# KiCad board helixloop.kicad_pcb (continued)
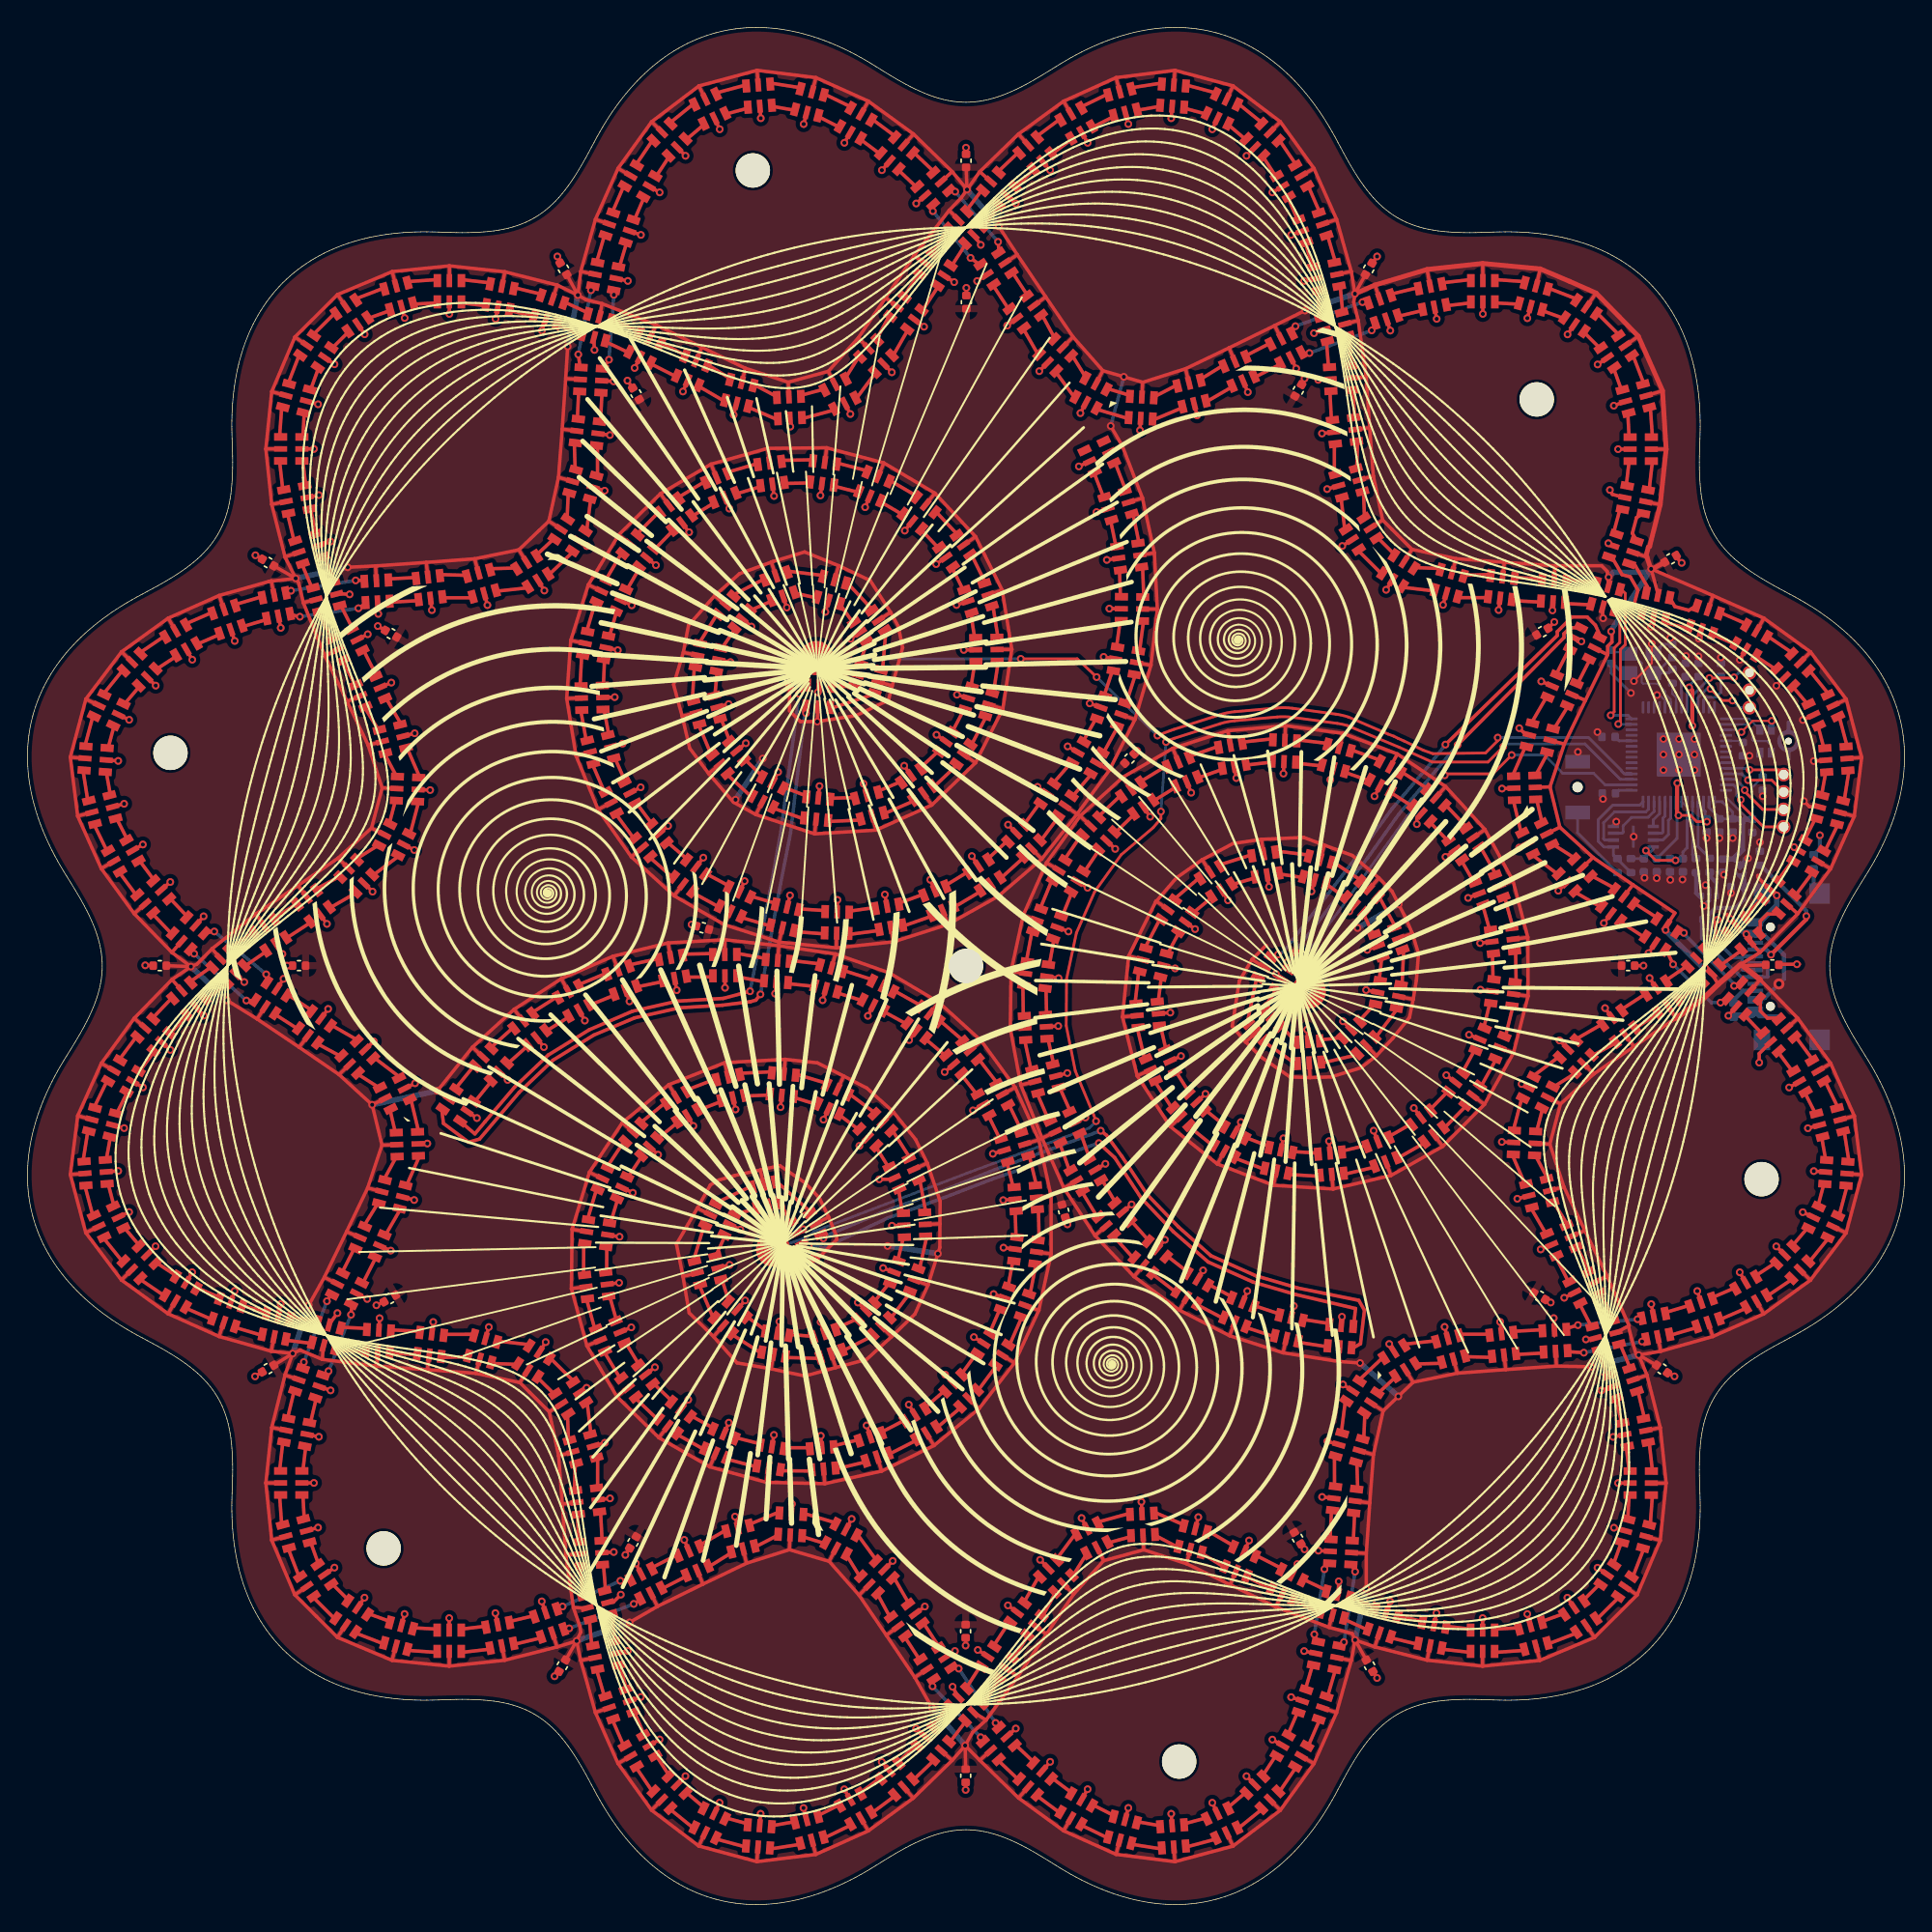
[diagram p0: board, top side]
## Placement (name value [footprint] x y rotation side) (continued)
D257  SK9822-EC20  [LED-SK9822-EC20]  95.35 83.53 74.7 top
D258  SK9822-EC20  [LED-SK9822-EC20]  91.57 84.04 87.5 top
D259  SK9822-EC20  [LED-SK9822-EC20]  87.77 83.69 100.1 top
D260  SK9822-EC20  [LED-SK9822-EC20]  84.14 82.52 112.6 top
D261  SK9822-EC20  [LED-SK9822-EC20]  80.85 80.6 124.8 top
D262  SK9822-EC20  [LED-SK9822-EC20]  78.04 78.03 136.8 top
D263  SK9822-EC20  [LED-SK9822-EC20]  75.82 74.93 148.7 top
D264  SK9822-EC20  [LED-SK9822-EC20]  74.28 71.44 160.4 top
D265  SK9822-EC20  [LED-SK9822-EC20]  73.48 67.72 171.9 top
D266  SK9822-EC20  [LED-SK9822-EC20]  73.45 63.9 183.3 top
D267  SK9822-EC20  [LED-SK9822-EC20]  74.16 60.16 194.5 top
D268  SK9822-EC20  [LED-SK9822-EC20]  75.58 56.63 205.5 top
D269  SK9822-EC20  [LED-SK9822-EC20]  77.1 53.13 210.3 top
D270  SK9822-EC20  [LED-SK9822-EC20]  79.18 49.93 220.4 top
D271  SK9822-EC20  [LED-SK9822-EC20]  81.8 47.17 230 top
D272  SK9822-EC20  [LED-SK9822-EC20]  84.86 44.89 239.3 top
D273  SK9822-EC20  [LED-SK9822-EC20]  88.25 43.16 248.3 top
D274  SK9822-EC20  [LED-SK9822-EC20]  91.88 42 257 top
D275  SK9822-EC20  [LED-SK9822-EC20]  95.65 41.41 265.5 top
D276  SK9822-EC20  [LED-SK9822-EC20]  56.72 49.25 27 top
D277  SK9822-EC20  [LED-SK9822-EC20]  53.81 51.71 103.3 top
D278  SK9822-EC20  [LED-SK9822-EC20]  50.46 49.9 153.5 top
D279  SK9822-EC20  [LED-SK9822-EC20]  49.55 46.2 194 top
D280  SK9822-EC20  [LED-SK9822-EC20]  51.2 42.77 228.9 top
D281  SK9822-EC20  [LED-SK9822-EC20]  54.49 40.85 260 top
D282  SK9822-EC20  [LED-SK9822-EC20]  58.3 40.87 288.4 top
D283  SK9822-EC20  [LED-SK9822-EC20]  61.65 42.69 314.6 top
D284  SK9822-EC20  [LED-SK9822-EC20]  63.88 45.78 339.2 top
D285  SK9822-EC20  [LED-SK9822-EC20]  64.63 49.52 2.3 top
D286  SK9822-EC20  [LED-SK9822-EC20]  63.86 53.25 24.2 top
D287  SK9822-EC20  [LED-SK9822-EC20]  61.77 56.44 45.1 top
D288  SK9822-EC20  [LED-SK9822-EC20]  58.69 58.67 65.1 top
D289  SK9822-EC20  [LED-SK9822-EC20]  55.02 59.73 84.3 top
D290  SK9822-EC20  [LED-SK9822-EC20]  51.22 59.53 102.8 top
D291  SK9822-EC20  [LED-SK9822-EC20]  47.67 58.14 120.7 top
D292  SK9822-EC20  [LED-SK9822-EC20]  44.72 55.73 138 top
D293  SK9822-EC20  [LED-SK9822-EC20]  42.61 52.55 154.8 top
D294  SK9822-EC20  [LED-SK9822-EC20]  41.5 48.9 171.1 top
D295  SK9822-EC20  [LED-SK9822-EC20]  41.46 45.09 187 top
D296  SK9822-EC20  [LED-SK9822-EC20]  42.46 41.42 202.5 top
D297  SK9822-EC20  [LED-SK9822-EC20]  44.4 38.14 217.6 top
D298  SK9822-EC20  [LED-SK9822-EC20]  47.13 35.47 232.3 top
D299  SK9822-EC20  [LED-SK9822-EC20]  50.44 33.59 246.8 top
D300  SK9822-EC20  [LED-SK9822-EC20]  54.12 32.58 260.9 top
D301  SK9822-EC20  [LED-SK9822-EC20]  57.93 32.5 274.7 top
D302  SK9822-EC20  [LED-SK9822-EC20]  61.65 33.33 288.3 top
D303  SK9822-EC20  [LED-SK9822-EC20]  65.07 35.01 301.6 top
D304  SK9822-EC20  [LED-SK9822-EC20]  68.02 37.43 314.7 top
D305  SK9822-EC20  [LED-SK9822-EC20]  70.34 40.45 327.5 top
D306  SK9822-EC20  [LED-SK9822-EC20]  71.94 43.91 340.1 top
D307  SK9822-EC20  [LED-SK9822-EC20]  72.74 47.64 352.6 top
D308  SK9822-EC20  [LED-SK9822-EC20]  72.73 51.45 4.8 top
D309  SK9822-EC20  [LED-SK9822-EC20]  71.91 55.17 16.8 top
D310  SK9822-EC20  [LED-SK9822-EC20]  70.33 58.64 28.7 top
D311  SK9822-EC20  [LED-SK9822-EC20]  68.08 61.72 40.4 top
D312  SK9822-EC20  [LED-SK9822-EC20]  65.25 64.27 51.9 top
D313  SK9822-EC20  [LED-SK9822-EC20]  61.97 66.21 63.3 top
D314  SK9822-EC20  [LED-SK9822-EC20]  58.37 67.47 74.5 top
D315  SK9822-EC20  [LED-SK9822-EC20]  54.6 68 85.5 top
D316  SK9822-EC20  [LED-SK9822-EC20]  50.81 68.44 90.3 top
D317  SK9822-EC20  [LED-SK9822-EC20]  47 68.23 100.4 top
D318  SK9822-EC20  [LED-SK9822-EC20]  43.29 67.35 110 top
D319  SK9822-EC20  [LED-SK9822-EC20]  39.8 65.83 119.3 top
D320  SK9822-EC20  [LED-SK9822-EC20]  36.6 63.76 128.3 top
D321  SK9822-EC20  [LED-SK9822-EC20]  33.77 61.2 137 top
D322  SK9822-EC20  [LED-SK9822-EC20]  31.38 58.23 145.5 top
D323  SK9822-EC20  [LED-SK9822-EC20]  57.64 88.03 267 top
D324  SK9822-EC20  [LED-SK9822-EC20]  61.22 89.31 343.3 top
D325  SK9822-EC20  [LED-SK9822-EC20]  61.34 93.12 33.5 top
D326  SK9822-EC20  [LED-SK9822-EC20]  58.58 95.76 74 top
D327  SK9822-EC20  [LED-SK9822-EC20]  54.78 96.05 108.9 top
D328  SK9822-EC20  [LED-SK9822-EC20]  51.48 94.16 140 top
D329  SK9822-EC20  [LED-SK9822-EC20]  49.59 90.84 168.4 top
D330  SK9822-EC20  [LED-SK9822-EC20]  49.49 87.03 194.6 top
D331  SK9822-EC20  [LED-SK9822-EC20]  51.06 83.56 219.2 top
D332  SK9822-EC20  [LED-SK9822-EC20]  53.92 81.04 242.3 top
D333  SK9822-EC20  [LED-SK9822-EC20]  57.53 79.84 264.2 top
D334  SK9822-EC20  [LED-SK9822-EC20]  61.34 80.06 285.1 top
D335  SK9822-EC20  [LED-SK9822-EC20]  64.82 81.61 305.1 top
D336  SK9822-EC20  [LED-SK9822-EC20]  67.56 84.25 324.3 top
D337  SK9822-EC20  [LED-SK9822-EC20]  69.29 87.65 342.8 top
D338  SK9822-EC20  [LED-SK9822-EC20]  69.86 91.42 0.7 top
D339  SK9822-EC20  [LED-SK9822-EC20]  69.25 95.18 18 top
D340  SK9822-EC20  [LED-SK9822-EC20]  67.55 98.59 34.8 top
D341  SK9822-EC20  [LED-SK9822-EC20]  64.95 101.38 51.1 top
D342  SK9822-EC20  [LED-SK9822-EC20]  61.67 103.32 67 top
D343  SK9822-EC20  [LED-SK9822-EC20]  57.98 104.29 82.5 top
D344  SK9822-EC20  [LED-SK9822-EC20]  54.17 104.25 97.6 top
D345  SK9822-EC20  [LED-SK9822-EC20]  50.5 103.22 112.3 top
D346  SK9822-EC20  [LED-SK9822-EC20]  47.21 101.29 126.8 top
D347  SK9822-EC20  [LED-SK9822-EC20]  44.5 98.61 140.9 top
D348  SK9822-EC20  [LED-SK9822-EC20]  42.53 95.35 154.7 top
D349  SK9822-EC20  [LED-SK9822-EC20]  41.39 91.71 168.3 top
D350  SK9822-EC20  [LED-SK9822-EC20]  41.13 87.91 181.6 top
D351  SK9822-EC20  [LED-SK9822-EC20]  41.75 84.15 194.7 top
D352  SK9822-EC20  [LED-SK9822-EC20]  43.21 80.63 207.5 top
D353  SK9822-EC20  [LED-SK9822-EC20]  45.41 77.52 220.1 top
D354  SK9822-EC20  [LED-SK9822-EC20]  48.23 74.96 232.6 top
D355  SK9822-EC20  [LED-SK9822-EC20]  51.54 73.06 244.8 top
D356  SK9822-EC20  [LED-SK9822-EC20]  55.17 71.91 256.8 top
D357  SK9822-EC20  [LED-SK9822-EC20]  58.97 71.54 268.7 top
D358  SK9822-EC20  [LED-SK9822-EC20]  62.76 71.96 280.4 top
D359  SK9822-EC20  [LED-SK9822-EC20]  66.39 73.13 291.9 top
D360  SK9822-EC20  [LED-SK9822-EC20]  69.7 75 303.3 top
D361  SK9822-EC20  [LED-SK9822-EC20]  72.59 77.49 314.5 top
D362  SK9822-EC20  [LED-SK9822-EC20]  74.94 80.49 325.5 top
D363  SK9822-EC20  [LED-SK9822-EC20]  77.21 83.55 330.3 top
D364  SK9822-EC20  [LED-SK9822-EC20]  78.94 86.95 340.4 top
D365  SK9822-EC20  [LED-SK9822-EC20]  80.02 90.6 350 top
D366  SK9822-EC20  [LED-SK9822-EC20]  80.46 94.39 359.3 top
D367  SK9822-EC20  [LED-SK9822-EC20]  80.27 98.2 8.3 top
D368  SK9822-EC20  [LED-SK9822-EC20]  79.46 101.92 17 top
D369  SK9822-EC20  [LED-SK9822-EC20]  78.08 105.48 25.5 top
G***  LOGO  [sds200200]  68.37 68.37 180 bottom
H1  MountingHole  [MountingHole_2.5mm]  68.37 68.37 0 top
H2  MountingHole  [MountingHole_2.5mm]  126.33 52.84 0 top
H3  MountingHole  [MountingHole_2.5mm]  83.9 10.42 0 top
H3#2  MountingHole  [MountingHole_2.5mm]  25.95 25.95 0 top
H4  MountingHole  [MountingHole_2.5mm]  10.42 83.9 0 top
H5  MountingHole  [MountingHole_2.5mm]  52.84 126.33 0 top
H6  MountingHole  [MountingHole_2.5mm]  109.95 109.65 0 top
J6  USB_C_Receptacle  [USB-SMD_USB-TYPE-C-020]  128.21 68.32 270 bottom
J7  Conn_01x03_Socket  [MinimalPinSocket_1x03_P1.27mm_Vertical]  125.45 89.73 180 bottom
J9  Conn_01x04_Socket  [MinimalPinSocket_1x04_P1.27mm_Vertical]  127.94 82.32 180 bottom
MIC6  T3902  [MIC_T3902]  127.58 84.76 270 bottom
R6  5.11K  [R_0402_1005Metric]  126.21 76.22 270 bottom
R7  5.11K  [R_0402_1005Metric]  124.3 65.15 90 bottom
R8  27  [R_0402_1005Metric]  121.56 75.69 90 bottom
R9  27  [R_0402_1005Metric]  122.55 75.71 90 bottom
R10  1k  [R_0402_1005Metric]  115.82 75.69 270 bottom
R13  1M  [R_0402_1005Metric]  130.12 75.97 270 bottom
R15  1k  [R_0402_1005Metric]  119.83 89.48 90 bottom
R20  10k DNF  [R_0402_1005Metric]  116.81 75.69 270 bottom  (not fitted)
REF**  -  [sds_curved_text]  131.49 88.01 30 bottom
svg2mod  G***  [spiraldrawing]  68.37 68.37 30 top
SW6  SW_Push  [KEY-SMD_L3.0-W2.5-LS4.0]  112.92 81.4 90 bottom
TP1  -  [TouchPoint]  93.34 66.52 0 top
TP2  -  [TouchPoint]  54.33 47.72 0 top
TP3  -  [TouchPoint]  57.48 90.8 0 top
U6  USBLC6-2P6  [SOT-666]  122.5 72.62 270 bottom
U7  RP2040  [QFN-56-1EP_7x7mm_P0.4mm_EP3.2x3.2mm]  120.3 83.78 0 bottom
U9  RT9078  [OnSemi_XDFN4-1EP_1.0x1.0mm_EP0.52x0.52mm]  124.77 75.69 270 bottom
U10  QSPI Flash  [USON_3X2_WIN]  116.99 77.8 90 bottom
Y6  12MHz  [Crystal_SMD_2520-4Pin_2.5x2.0mm]  117.57 90.42 0 bottom

## Library data of the parts
C1-C15 C29 C36-C49 = -: ki_fp_filters: C_*
C16-C25 C32 C35 = -: Designation: CC0402KRX7R7BB104; LCSC: C60474; ki_fp_filters: C_*
C26 = -: LCSC: C60474; Designation: CC0402KRX7R7BB104; ki_fp_filters: C_*
C27 C28 = -: Designation: CL05A105KP5NNNC; LCSC: C14445; ki_fp_filters: C_*
C30 C31 = -: Designation: CC0402FRNPO9BN120; LCSC: C326662; ki_fp_filters: C_*
C33 C34 = -: LCSC: C14445; Designation: CL05A105KP5NNNC; ki_fp_filters: C_*
D1-D369 = -: Datasheet: http://www.normandled.com/upload/202003/SK9822-EC20%20LED%20Datasheet.pdf; Field4: 1; ki_fp_filters: LED*APA102*
H1 = -: Description: Mounting Hole without connection; ki_fp_filters: MountingHole*
H2 H3 H3#2 H4-H6 = -: Description: Mounting Hole without connection
J6 = -: Datasheet: https://www.usb.org/sites/default/files/documents/usb_type-c.zip; Designation: USB-TYPE-C-020; LCSC: C2927040; ki_fp_filters: USB*C*Receptacle*
J7 = -: Description: Generic connector, single row, 01x03, script generated; ki_fp_filters: Connector*:*_1x??_*
J9 = -: Description: Generic connector, single row, 01x04, script generated; ki_fp_filters: Connector*:*_1x??_*
MIC6 = -: Datasheet: http://invensense.tdk.com/wp-content/uploads/2020/05/DS-000357-T3902-v1.0.pdf; LCSC Part: C3171752; Designation: MMICT390200012
R6 R7 = -: Designation: RC0402FR-075K11L; LCSC: C274895; ki_fp_filters: R_*
R8 R9 = -: Designation: RC0402FR-0727RL; LCSC: C138021; ki_fp_filters: R_*
R10 R15 = -: Designation: RC0402FR-071KL; LCSC: C106235; ki_fp_filters: R_*
R13 = -: Designation: RC0402JR-071ML; LCSC: C93949; ki_fp_filters: R_*
R20 = -: ki_fp_filters: R_*
SW6 = -: Datasheet: https://www.lcsc.com/datasheet/lcsc_datasheet_2411211440_DEALON-TD-1183SA-1-7H-160_C2905190.pdf; Description: Push button switch, generic, two pins; LCSC: C2905190
TP1-TP3 = -: Description: test point; ki_fp_filters: Pin* Test*
U6 = -: Datasheet: https://www.st.com/resource/en/datasheet/usblc6-2.pdf; Description: Very low capacitance ESD protection diode, 2 data-line, SOT-666; LCSC: C2827693; ki_fp_filters: SOT?666*
U7 = -: Datasheet: https://datasheets.raspberrypi.com/rp2040/rp2040-datasheet.pdf; LCSC: C2040; ki_fp_filters: QFN*1EP*7x7mm?P0.4mm*
U9 = -: Datasheet: https://lcsc.com/product-detail/Low-Dropout-Regulators-LDO_RT9078-33GQZ_C147954.html; LCSC Part: C147954; Designation: RT9078-33GQZ
U10 = -: Designation: ZD25WQ16C; LCSC: C7304007; ki_fp_filters: USON_3X2_WIN USON_3X2_WIN-M USON_3X2_WIN-L
Y6 = -: Designation: TXM12M0004252FBCEO00T; LCSC: C284155; ki_fp_filters: Crystal*

## Footprints (pads in the part's own frame, mm; a bottom-side part is the same pattern mirrored in y, then rotated)
C_0402_1005Metric
  rrect 0.56x0.62 smd: 1(-0.48,0) 2(0.48,0)
Crystal_SMD_2520-4Pin_2.5x2.0mm
  rect 1.15x1 smd: 1(-0.875,-0.7) 2(0.875,-0.7) 3(0.875,0.7) 4(-0.875,0.7)
KEY-SMD_L3.0-W2.5-LS4.0
  round 0.75 hole 0.75 unplated: (0,0)
  rect 1x1.8 smd: 1(-1.85,0) 2(1.85,0)
LED-SK9822-EC20
  rect 0.95x0.55 smd: 1(-0.775,0.875) 3(-0.775,-0.875) 4(0.775,-0.875) 6(0.775,0.875)
  rect 0.95x0.4 smd: 2(-0.775,0) 5(0.775,0)
MIC_T3902
  round 0.5 hole 0.5 unplated: (0,-0.71)
  rect 0.725x0.522 smd: 1(-0.838,1.364) 2(-0.838,0.542) 4(0.838,0.542) 5(0.838,1.364)
  custom 1.636x0.822 smd: 3(0,-1.373)
  custom 1.636x0.823 smd: 3(0,-0.048)
MinimalPinSocket_1x03_P1.27mm_Vertical
  round 1 hole 0.65: 1(0,0)
  oval 1x1 hole 0.65: 2(0,-1.27) 3(0,-2.54)
MinimalPinSocket_1x04_P1.27mm_Vertical
  round 1 hole 0.7: 1(0,0)
  oval 1x1 hole 0.7: 2(0,-1.27) 3(0,-2.54) 4(0,-3.81)
MountingHole_2.5mm
  round 2.5 hole 2.5 unplated: (0,0)
OnSemi_XDFN4-1EP_1.0x1.0mm_EP0.52x0.52mm
  custom 0.39x0.26 smd: 1(-0.485,0.325) 2(-0.485,-0.325) 3(0.485,-0.325) 4(0.485,0.325)
  rect 0.52x0.52 smd rot 45: 5(0,0)
QFN-56-1EP_7x7mm_P0.4mm_EP3.2x3.2mm
  rrect 1.29x1.29 smd: (-0.8,-0.8) (-0.8,0.8) (0.8,-0.8) (0.8,0.8)
  rrect 0.875x0.2 smd: 1(-3.438,2.6) 2(-3.438,2.2) 3(-3.438,1.8) 4(-3.438,1.4) 5(-3.438,1) 6(-3.438,0.6) 7(-3.438,0.2) 8(-3.438,-0.2) 9(-3.438,-0.6) 10(-3.438,-1) 11(-3.438,-1.4) 12(-3.438,-1.8) 13(-3.438,-2.2) 14(-3.438,-2.6) 29(3.438,-2.6) 30(3.438,-2.2) 31(3.438,-1.8) 32(3.438,-1.4) 33(3.438,-1) 34(3.438,-0.6) 35(3.438,-0.2) 36(3.438,0.2) 37(3.438,0.6) 38(3.438,1) 39(3.438,1.4) 40(3.438,1.8) 41(3.438,2.2) 42(3.438,2.6)
  rrect 0.2x0.875 smd: 15(-2.6,-3.438) 16(-2.2,-3.438) 17(-1.8,-3.438) 18(-1.4,-3.438) 19(-1,-3.438) 20(-0.6,-3.438) 21(-0.2,-3.438) 22(0.2,-3.438) 23(0.6,-3.438) 24(1,-3.438) 25(1.4,-3.438) 26(1.8,-3.438) 27(2.2,-3.438) 28(2.6,-3.438) 43(2.6,3.438) 44(2.2,3.438) 45(1.8,3.438) 46(1.4,3.438) 47(1,3.438) 48(0.6,3.438) 49(0.2,3.438) 50(-0.2,3.438) 51(-0.6,3.438) 52(-1,3.438) 53(-1.4,3.438) 54(-1.8,3.438) 55(-2.2,3.438) 56(-2.6,3.438)
  rect 3.2x3.2 smd: 57(0,0)
R_0402_1005Metric
  rrect 0.54x0.64 smd: 1(-0.51,0) 2(0.51,0)
SOT-666
  rrect 0.5x0.375 smd: 1(-0.85,0.537) 3(-0.85,-0.538) 4(0.85,-0.537) 6(0.85,0.538)
  rrect 0.65x0.3 smd: 2(-0.925,0) 5(0.925,0)
TouchPoint
  round 2.5 smd: 1(0,0)
USB-SMD_USB-TYPE-C-020
  round 0.65 hole 0.65 unplated: (-2.89,1.24) (2.89,1.24)
  rect 0.3x1.15 smd: A1(-3.33,2.34) A4(-2.53,2.34) A5(-1.25,2.34) A6(-0.25,2.34) A7(0.25,2.34) A8(1.25,2.34) A9(2.53,2.34) A12(3.33,2.34) B1(3.07,2.34) B4(2.28,2.34) B5(1.75,2.34) B6(0.75,2.34) B7(-0.75,2.34) B8(-1.75,2.34) B9(-2.28,2.34) B12(-3.07,2.34)
  rect 1.5x1.5 smd: S1(-5.33,-2.34) S1(5.33,-2.34)
  rect 1.5x1.2 smd: S1(-5.33,1.86) S1(5.33,1.86)
USON_3X2_WIN
  rect 0.254x0.813 smd: 1(-0.75,-1.448) 2(-0.25,-1.448) 3(0.25,-1.448) 4(0.75,-1.448) 5(0.75,1.448) 6(0.25,1.448) 7(-0.25,1.448) 8(-0.75,1.448)
  rect 1.6x0.2 smd: 9(0,0)

## Nets
+1V1: C16.1 C17.1 C27.1 U7.23 U7.45 U7.50
+3V3: C18.1 C19.1 C20.1 C21.1 C22.1 C23.1 C24.1 C25.1 C26.1 C28.1 C32.1 C34.1 C35.1 MIC6.5 R20.1 U7.1 U7.10 U7.22 U7.26 U7.33 U7.42 U7.43 U7.44 U7.48 U7.49 U9.1 U10.8
+5V: C1.2 C2.2 C3.2 C4.2 C5.2 C6.2 C7.2 C8.2 C9.2 C10.2 C11.2 C12.2 C13.2 C14.2 C15.2 C29.2 C33.1 C36.2 C37.2 C38.2 C39.2 C40.2 C41.2 C42.2 C43.2 C44.2 C45.2 C46.2 C47.2 C48.2 C49.2 D1.5 D2.5 D3.5 D4.5 D5.5 D6.5 D7.5 D8.5 D9.5 D10.5 D11.5 D12.5 D13.5 D14.5 D15.5 D16.5 D17.5 D18.5 D19.5 D20.5 D21.5 D22.5 D23.5 D24.5 D25.5 D26.5 D27.5 D28.5 D29.5 D30.5 D31.5 D32.5 D33.5 D34.5 D35.5 D36.5 D37.5 D38.5 D39.5 D40.5 D41.5 D42.5 D43.5 D44.5 D45.5 D46.5 D47.5 D48.5 D49.5 D50.5 D51.5 D52.5 D53.5 D54.5 D55.5 D56.5 D57.5 D58.5 D59.5 D60.5 D61.5 D62.5 D63.5 D64.5 D65.5 D66.5 D67.5 D68.5 D69.5 D70.5 D71.5 D72.5 D73.5 D74.5 D75.5 D76.5 D77.5 D78.5 D79.5 D80.5 D81.5 D82.5 D83.5 D84.5 D85.5 D86.5 D87.5 D88.5 D89.5 D90.5 D91.5 D92.5 D93.5 D94.5 D95.5 D96.5 D97.5 D98.5 D99.5 D100.5 D101.5 D102.5 D103.5 D104.5 D105.5 D106.5 D107.5 D108.5 D109.5 D110.5 D111.5 D112.5 D113.5 D114.5 D115.5 D116.5 D117.5 D118.5 D119.5 D120.5 D121.5 D122.5 D123.5 D124.5 D125.5 D126.5 D127.5 D128.5 D129.5 D130.5 D131.5 D132.5 D133.5 D134.5 D135.5 D136.5 D137.5 D138.5 D139.5 D140.5 D141.5 D142.5 D143.5 D144.5 D145.5 D146.5 D147.5 D148.5 D149.5 D150.5 D151.5 D152.5 D153.5 D154.5 D155.5 D156.5 D157.5 D158.5 D159.5 D160.5 D161.5 D162.5 D163.5 D164.5 D165.5 D166.5 D167.5 D168.5 D169.5 D170.5 D171.5 D172.5 D173.5 D174.5 D175.5 D176.5 D177.5 D178.5 D179.5 D180.5 D181.5 D182.5 D183.5 D184.5 D185.5 D186.5 D187.5 D188.5 D189.5 D190.5 D191.5 D192.5 D193.5 D194.5 D195.5 D196.5 D197.5 D198.5 D199.5 D200.5 D201.5 D202.5 D203.5 D204.5 D205.5 D206.5 D207.5 D208.5 D209.5 D210.5 D211.5 D212.5 D213.5 D214.5 D215.5 D216.5 D217.5 D218.5 D219.5 D220.5 D221.5 D222.5 D223.5 D224.5 D225.5 D226.5 D227.5 D228.5 D229.5 D230.5 D231.5 D232.5 D233.5 D234.5 D235.5 D236.5 D237.5 D238.5 D239.5 D240.5 D241.5 D242.5 D243.5 D244.5 D245.5 D246.5 D247.5 D248.5 D249.5 D250.5 D251.5 D252.5 D253.5 D254.5 D255.5 D256.5 D257.5 D258.5 D259.5 D260.5 D261.5 D262.5 D263.5 D264.5 D265.5 D266.5 D267.5 D268.5 D269.5 D270.5 D271.5 D272.5 D273.5 D274.5 D275.5 D276.5 D277.5 D278.5 D279.5 D280.5 D281.5 D282.5 D283.5 D284.5 D285.5 D286.5 D287.5 D288.5 D289.5 D290.5 D291.5 D292.5 D293.5 D294.5 D295.5 D296.5 D297.5 D298.5 D299.5 D300.5 D301.5 D302.5 D303.5 D304.5 D305.5 D306.5 D307.5 D308.5 D309.5 D310.5 D311.5 D312.5 D313.5 D314.5 D315.5 D316.5 D317.5 D318.5 D319.5 D320.5 D321.5 D322.5 D323.5 D324.5 D325.5 D326.5 D327.5 D328.5 D329.5 D330.5 D331.5 D332.5 D333.5 D334.5 D335.5 D336.5 D337.5 D338.5 D339.5 D340.5 D341.5 D342.5 D343.5 D344.5 D345.5 D346.5 D347.5 D348.5 D349.5 D350.5 D351.5 D352.5 D353.5 D354.5 D355.5 D356.5 D357.5 D358.5 D359.5 D360.5 D361.5 D362.5 D363.5 D364.5 D365.5 D366.5 D367.5 D368.5 D369.5 J6.A4 J6.A9 J6.B4 J6.B9 U6.5 U9.3 U9.4
GND: C1.1 C2.1 C3.1 C4.1 C5.1 C6.1 C7.1 C8.1 C9.1 C10.1 C11.1 C12.1 C13.1 C14.1 C15.1 C16.2 C17.2 C18.2 C19.2 C20.2 C21.2 C22.2 C23.2 C24.2 C25.2 C26.2 C27.2 C28.2 C29.1 C30.2 C31.2 C32.2 C33.2 C34.2 C35.2 C36.1 C37.1 C38.1 C39.1 C40.1 C41.1 C42.1 C43.1 C44.1 C45.1 C46.1 C47.1 C48.1 C49.1 D1.2 D2.2 D3.2 D4.2 D5.2 D6.2 D7.2 D8.2 D9.2 D10.2 D11.2 D12.2 D13.2 D14.2 D15.2 D16.2 D17.2 D18.2 D19.2 D20.2 D21.2 D22.2 D23.2 D24.2 D25.2 D26.2 D27.2 D28.2 D29.2 D30.2 D31.2 D32.2 D33.2 D34.2 D35.2 D36.2 D37.2 D38.2 D39.2 D40.2 D41.2 D42.2 D43.2 D44.2 D45.2 D46.2 D47.2 D48.2 D49.2 D50.2 D51.2 D52.2 D53.2 D54.2 D55.2 D56.2 D57.2 D58.2 D59.2 D60.2 D61.2 D62.2 D63.2 D64.2 D65.2 D66.2 D67.2 D68.2 D69.2 D70.2 D71.2 D72.2 D73.2 D74.2 D75.2 D76.2 D77.2 D78.2 D79.2 D80.2 D81.2 D82.2 D83.2 D84.2 D85.2 D86.2 D87.2 D88.2 D89.2 D90.2 D91.2 D92.2 D93.2 D94.2 D95.2 D96.2 D97.2 D98.2 D99.2 D100.2 D101.2 D102.2 D103.2 D104.2 D105.2 D106.2 D107.2 D108.2 D109.2 D110.2 D111.2 D112.2 D113.2 D114.2 D115.2 D116.2 D117.2 D118.2 D119.2 D120.2 D121.2 D122.2 D123.2 D124.2 D125.2 D126.2 D127.2 D128.2 D129.2 D130.2 D131.2 D132.2 D133.2 D134.2 D135.2 D136.2 D137.2 D138.2 D139.2 D140.2 D141.2 D142.2 D143.2 D144.2 D145.2 D146.2 D147.2 D148.2 D149.2 D150.2 D151.2 D152.2 D153.2 D154.2 D155.2 D156.2 D157.2 D158.2 D159.2 D160.2 D161.2 D162.2 D163.2 D164.2 D165.2 D166.2 D167.2 D168.2 D169.2 D170.2 D171.2 D172.2 D173.2 D174.2 D175.2 D176.2 D177.2 D178.2 D179.2 D180.2 D181.2 D182.2 D183.2 D184.2 D185.2 D186.2 D187.2 D188.2 D189.2 D190.2 D191.2 D192.2 D193.2 D194.2 D195.2 D196.2 D197.2 D198.2 D199.2 D200.2 D201.2 D202.2 D203.2 D204.2 D205.2 D206.2 D207.2 D208.2 D209.2 D210.2 D211.2 D212.2 D213.2 D214.2 D215.2 D216.2 D217.2 D218.2 D219.2 D220.2 D221.2 D222.2 D223.2 D224.2 D225.2 D226.2 D227.2 D228.2 D229.2 D230.2 D231.2 D232.2 D233.2 D234.2 D235.2 D236.2 D237.2 D238.2 D239.2 D240.2 D241.2 D242.2 D243.2 D244.2 D245.2 D246.2 D247.2 D248.2 D249.2 D250.2 D251.2 D252.2 D253.2 D254.2 D255.2 D256.2 D257.2 D258.2 D259.2 D260.2 D261.2 D262.2 D263.2 D264.2 D265.2 D266.2 D267.2 D268.2 D269.2 D270.2 D271.2 D272.2 D273.2 D274.2 D275.2 D276.2 D277.2 D278.2 D279.2 D280.2 D281.2 D282.2 D283.2 D284.2 D285.2 D286.2 D287.2 D288.2 D289.2 D290.2 D291.2 D292.2 D293.2 D294.2 D295.2 D296.2 D297.2 D298.2 D299.2 D300.2 D301.2 D302.2 D303.2 D304.2 D305.2 D306.2 D307.2 D308.2 D309.2 D310.2 D311.2 D312.2 D313.2 D314.2 D315.2 D316.2 D317.2 D318.2 D319.2 D320.2 D321.2 D322.2 D323.2 D324.2 D325.2 D326.2 D327.2 D328.2 D329.2 D330.2 D331.2 D332.2 D333.2 D334.2 D335.2 D336.2 D337.2 D338.2 D339.2 D340.2 D341.2 D342.2 D343.2 D344.2 D345.2 D346.2 D347.2 D348.2 D349.2 D350.2 D351.2 D352.2 D353.2 D354.2 D355.2 D356.2 D357.2 D358.2 D359.2 D360.2 D361.2 D362.2 D363.2 D364.2 D365.2 D366.2 D367.2 D368.2 D369.2 J6.A1 J6.A12 J6.B1 J6.B12 J7.2 MIC6.3 R6.1 R7.1 R13.1 SW6.2 U6.2 U7.19 U7.57 U9.2 U9.5 U10.4 U10.9 Y6.2 Y6.4
/LED_DATA: D1.3 U7.14
/LED_SCK: D1.4 U7.13
/PDM_CLK: MIC6.4 U7.30
/PDM_DATA: MIC6.1 U7.29
/PDM_LRCLK: MIC6.2 U7.31
/QSPI0: U7.53 U10.5
/QSPI1: U7.55 U10.2
/QSPI2: U7.54 U10.3
/QSPI3: U7.51 U10.7
/QSPI_SCK: U7.52 U10.6
/QSPI_SS: R10.1 R20.2 U7.56 U10.1
/SK9822 LED Array 1/LED_CKO: D123.6 D124.4
/SK9822 LED Array 1/LED_SDO: D123.1 D124.3
/SK9822 LED Array 2/LED_CKO: D246.6 D247.4
/SK9822 LED Array 2/LED_SDO: D246.1 D247.3
/SK9822 LED Array 3/LED_CKO: D369.6
/SK9822 LED Array 3/LED_SDO: D369.1
/SWCLK: J7.1 U7.24
/SWD: J7.3 U7.25
/USB_D+: R8.1 U6.1
/USB_D+_IN: J6.A6 J6.B6 U6.6
/USB_D-: R9.1 U6.3
/USB_D-_IN: J6.A7 J6.B7 U6.4
/~{USB_BOOT}: R10.2 SW6.1
Net-(C31-Pad1): C31.1 R15.2 Y6.3
Net-(D1-CKO): D1.6 D2.4
Net-(D1-SDO): D1.1 D2.3
Net-(D2-CKO): D2.6 D3.4
Net-(D2-SDO): D2.1 D3.3
Net-(D3-CKO): D3.6 D4.4
Net-(D3-SDO): D3.1 D4.3
Net-(D4-CKO): D4.6 D5.4
Net-(D4-SDO): D4.1 D5.3
Net-(D5-CKO): D5.6 D6.4
Net-(D5-SDO): D5.1 D6.3
Net-(D6-CKO): D6.6 D7.4
Net-(D6-SDO): D6.1 D7.3
Net-(D7-CKO): D7.6 D8.4
Net-(D7-SDO): D7.1 D8.3
Net-(D8-CKO): D8.6 D9.4
Net-(D8-SDO): D8.1 D9.3
Net-(D10-CKI): D9.6 D10.4
Net-(D10-CKO): D10.6 D11.4
Net-(D10-SDI): D9.1 D10.3
Net-(D10-SDO): D10.1 D11.3
Net-(D11-CKO): D11.6 D12.4
Net-(D11-SDO): D11.1 D12.3
Net-(D12-CKO): D12.6 D13.4
Net-(D12-SDO): D12.1 D13.3
Net-(D13-CKO): D13.6 D14.4
Net-(D13-SDO): D13.1 D14.3
Net-(D14-CKO): D14.6 D15.4
Net-(D14-SDO): D14.1 D15.3
Net-(D15-CKO): D15.6 D16.4
Net-(D15-SDO): D15.1 D16.3
Net-(D16-CKO): D16.6 D17.4
Net-(D16-SDO): D16.1 D17.3
Net-(D17-CKO): D17.6 D18.4
Net-(D17-SDO): D17.1 D18.3
Net-(D18-CKO): D18.6 D19.4
Net-(D18-SDO): D18.1 D19.3
Net-(D19-CKO): D19.6 D20.4
Net-(D19-SDO): D19.1 D20.3
Net-(D20-CKO): D20.6 D21.4
Net-(D20-SDO): D20.1 D21.3
Net-(D21-CKO): D21.6 D22.4
Net-(D21-SDO): D21.1 D22.3
Net-(D22-CKO): D22.6 D23.4
Net-(D22-SDO): D22.1 D23.3
Net-(D23-CKO): D23.6 D24.4
Net-(D23-SDO): D23.1 D24.3
Net-(D24-CKO): D24.6 D25.4
Net-(D24-SDO): D24.1 D25.3
Net-(D25-CKO): D25.6 D26.4
Net-(D25-SDO): D25.1 D26.3
Net-(D26-CKO): D26.6 D27.4
Net-(D26-SDO): D26.1 D27.3
Net-(D27-CKO): D27.6 D28.4
Net-(D27-SDO): D27.1 D28.3
Net-(D28-CKO): D28.6 D29.4
Net-(D28-SDO): D28.1 D29.3
Net-(D29-CKO): D29.6 D30.4
Net-(D29-SDO): D29.1 D30.3
Net-(D30-CKO): D30.6 D31.4
Net-(D30-SDO): D30.1 D31.3
Net-(D31-CKO): D31.6 D32.4
Net-(D31-SDO): D31.1 D32.3
Net-(D32-CKO): D32.6 D33.4
Net-(D32-SDO): D32.1 D33.3
Net-(D33-CKO): D33.6 D34.4
Net-(D33-SDO): D33.1 D34.3
Net-(D34-CKO): D34.6 D35.4
Net-(D34-SDO): D34.1 D35.3
Net-(D35-CKO): D35.6 D36.4
Net-(D35-SDO): D35.1 D36.3
Net-(D36-CKO): D36.6 D37.4
Net-(D36-SDO): D36.1 D37.3
Net-(D37-CKO): D37.6 D38.4
Net-(D37-SDO): D37.1 D38.3
Net-(D38-CKO): D38.6 D39.4
Net-(D38-SDO): D38.1 D39.3
Net-(D39-CKO): D39.6 D40.4
Net-(D39-SDO): D39.1 D40.3
Net-(D40-CKO): D40.6 D41.4
Net-(D40-SDO): D40.1 D41.3
Net-(D41-CKO): D41.6 D42.4
Net-(D41-SDO): D41.1 D42.3
Net-(D42-CKO): D42.6 D43.4
Net-(D42-SDO): D42.1 D43.3
Net-(D43-CKO): D43.6 D44.4
Net-(D43-SDO): D43.1 D44.3
Net-(D44-CKO): D44.6 D45.4
Net-(D44-SDO): D44.1 D45.3
Net-(D45-CKO): D45.6 D46.4
Net-(D45-SDO): D45.1 D46.3
Net-(D46-CKO): D46.6 D47.4
Net-(D46-SDO): D46.1 D47.3
Net-(D47-CKO): D47.6 D48.4
Net-(D47-SDO): D47.1 D48.3
Net-(D48-CKO): D48.6 D49.4
Net-(D48-SDO): D48.1 D49.3
Net-(D49-CKO): D49.6 D50.4
Net-(D49-SDO): D49.1 D50.3
Net-(D50-CKO): D50.6 D51.4
Net-(D50-SDO): D50.1 D51.3
Net-(D51-CKO): D51.6 D52.4
Net-(D51-SDO): D51.1 D52.3
Net-(D52-CKO): D52.6 D53.4
Net-(D52-SDO): D52.1 D53.3
Net-(D53-CKO): D53.6 D54.4
Net-(D53-SDO): D53.1 D54.3
Net-(D54-CKO): D54.6 D55.4
Net-(D54-SDO): D54.1 D55.3
Net-(D55-CKO): D55.6 D56.4
Net-(D55-SDO): D55.1 D56.3
Net-(D56-CKO): D56.6 D57.4
Net-(D56-SDO): D56.1 D57.3
Net-(D57-CKO): D57.6 D58.4
Net-(D57-SDO): D57.1 D58.3
Net-(D58-CKO): D58.6 D59.4
Net-(D58-SDO): D58.1 D59.3
Net-(D59-CKO): D59.6 D60.4
Net-(D59-SDO): D59.1 D60.3
Net-(D60-CKO): D60.6 D61.4
Net-(D60-SDO): D60.1 D61.3
Net-(D61-CKO): D61.6 D62.4
Net-(D61-SDO): D61.1 D62.3
Net-(D62-CKO): D62.6 D63.4
Net-(D62-SDO): D62.1 D63.3
Net-(D63-CKO): D63.6 D64.4
Net-(D63-SDO): D63.1 D64.3
Net-(D64-CKO): D64.6 D65.4
Net-(D64-SDO): D64.1 D65.3
Net-(D65-CKO): D65.6 D66.4
Net-(D65-SDO): D65.1 D66.3
Net-(D66-CKO): D66.6 D67.4
Net-(D66-SDO): D66.1 D67.3
Net-(D67-CKO): D67.6 D68.4
Net-(D67-SDO): D67.1 D68.3
Net-(D68-CKO): D68.6 D69.4
Net-(D68-SDO): D68.1 D69.3
Net-(D69-CKO): D69.6 D70.4
Net-(D69-SDO): D69.1 D70.3
Net-(D70-CKO): D70.6 D71.4
Net-(D70-SDO): D70.1 D71.3
Net-(D71-CKO): D71.6 D72.4
Net-(D71-SDO): D71.1 D72.3
Net-(D72-CKO): D72.6 D73.4
Net-(D72-SDO): D72.1 D73.3
Net-(D73-CKO): D73.6 D74.4
Net-(D73-SDO): D73.1 D74.3
Net-(D74-CKO): D74.6 D75.4
Net-(D74-SDO): D74.1 D75.3
Net-(D75-CKO): D75.6 D76.4
Net-(D75-SDO): D75.1 D76.3
Net-(D76-CKO): D76.6 D77.4
Net-(D76-SDO): D76.1 D77.3
Net-(D77-CKO): D77.6 D78.4
Net-(D77-SDO): D77.1 D78.3
Net-(D78-CKO): D78.6 D79.4
Net-(D78-SDO): D78.1 D79.3
Net-(D79-CKO): D79.6 D80.4
Net-(D79-SDO): D79.1 D80.3
Net-(D80-CKO): D80.6 D81.4
Net-(D80-SDO): D80.1 D81.3
Net-(D81-CKO): D81.6 D82.4
Net-(D81-SDO): D81.1 D82.3
Net-(D82-CKO): D82.6 D83.4
Net-(D82-SDO): D82.1 D83.3
Net-(D83-CKO): D83.6 D84.4
Net-(D83-SDO): D83.1 D84.3
Net-(D84-CKO): D84.6 D85.4
Net-(D84-SDO): D84.1 D85.3
Net-(D85-CKO): D85.6 D86.4
Net-(D85-SDO): D85.1 D86.3
Net-(D86-CKO): D86.6 D87.4
Net-(D86-SDO): D86.1 D87.3
Net-(D87-CKO): D87.6 D88.4
Net-(D87-SDO): D87.1 D88.3
Net-(D88-CKO): D88.6 D89.4
Net-(D88-SDO): D88.1 D89.3
Net-(D89-CKO): D89.6 D90.4
Net-(D89-SDO): D89.1 D90.3
Net-(D90-CKO): D90.6 D91.4
Net-(D90-SDO): D90.1 D91.3
Net-(D91-CKO): D91.6 D92.4
Net-(D91-SDO): D91.1 D92.3
Net-(D92-CKO): D92.6 D93.4
Net-(D92-SDO): D92.1 D93.3
Net-(D93-CKO): D93.6 D94.4
Net-(D93-SDO): D93.1 D94.3
Net-(D94-CKO): D94.6 D95.4
Net-(D94-SDO): D94.1 D95.3
Net-(D95-CKO): D95.6 D96.4
Net-(D95-SDO): D95.1 D96.3
Net-(D96-CKO): D96.6 D97.4
Net-(D96-SDO): D96.1 D97.3
Net-(D97-CKO): D97.6 D98.4
Net-(D97-SDO): D97.1 D98.3
Net-(D98-CKO): D98.6 D99.4
Net-(D98-SDO): D98.1 D99.3
Net-(D100-CKI): D99.6 D100.4
Net-(D100-CKO): D100.6 D101.4
Net-(D100-SDI): D99.1 D100.3
Net-(D100-SDO): D100.1 D101.3
Net-(D101-CKO): D101.6 D102.4
Net-(D101-SDO): D101.1 D102.3
Net-(D102-CKO): D102.6 D103.4
Net-(D102-SDO): D102.1 D103.3
Net-(D103-CKO): D103.6 D104.4
Net-(D103-SDO): D103.1 D104.3
Net-(D104-CKO): D104.6 D105.4
Net-(D104-SDO): D104.1 D105.3
Net-(D105-CKO): D105.6 D106.4
Net-(D105-SDO): D105.1 D106.3
Net-(D106-CKO): D106.6 D107.4
Net-(D106-SDO): D106.1 D107.3
Net-(D107-CKO): D107.6 D108.4
Net-(D107-SDO): D107.1 D108.3
Net-(D108-CKO): D108.6 D109.4
Net-(D108-SDO): D108.1 D109.3
Net-(D109-CKO): D109.6 D110.4
Net-(D109-SDO): D109.1 D110.3
Net-(D110-CKO): D110.6 D111.4
Net-(D110-SDO): D110.1 D111.3
Net-(D111-CKO): D111.6 D112.4
Net-(D111-SDO): D111.1 D112.3
Net-(D112-CKO): D112.6 D113.4
Net-(D112-SDO): D112.1 D113.3
Net-(D113-CKO): D113.6 D114.4
Net-(D113-SDO): D113.1 D114.3
Net-(D114-CKO): D114.6 D115.4
Net-(D114-SDO): D114.1 D115.3
Net-(D115-CKO): D115.6 D116.4
Net-(D115-SDO): D115.1 D116.3
Net-(D116-CKO): D116.6 D117.4
Net-(D116-SDO): D116.1 D117.3
Net-(D117-CKO): D117.6 D118.4
Net-(D117-SDO): D117.1 D118.3
Net-(D118-CKO): D118.6 D119.4
Net-(D118-SDO): D118.1 D119.3
Net-(D119-CKO): D119.6 D120.4
Net-(D119-SDO): D119.1 D120.3
Net-(D120-CKO): D120.6 D121.4
Net-(D120-SDO): D120.1 D121.3
Net-(D121-CKO): D121.6 D122.4
Net-(D121-SDO): D121.1 D122.3
Net-(D122-CKO): D122.6 D123.4
Net-(D122-SDO): D122.1 D123.3
Net-(D124-CKO): D124.6 D125.4
Net-(D124-SDO): D124.1 D125.3
Net-(D125-CKO): D125.6 D126.4
Net-(D125-SDO): D125.1 D126.3
Net-(D126-CKO): D126.6 D127.4
Net-(D126-SDO): D126.1 D127.3
Net-(D127-CKO): D127.6 D128.4
Net-(D127-SDO): D127.1 D128.3
Net-(D128-CKO): D128.6 D129.4
Net-(D128-SDO): D128.1 D129.3
Net-(D129-CKO): D129.6 D130.4
Net-(D129-SDO): D129.1 D130.3
Net-(D130-CKO): D130.6 D131.4
Net-(D130-SDO): D130.1 D131.3
Net-(D131-CKO): D131.6 D132.4
Net-(D131-SDO): D131.1 D132.3
Net-(D132-CKO): D132.6 D133.4
Net-(D132-SDO): D132.1 D133.3
Net-(D133-CKO): D133.6 D134.4
Net-(D133-SDO): D133.1 D134.3
Net-(D134-CKO): D134.6 D135.4
Net-(D134-SDO): D134.1 D135.3
Net-(D135-CKO): D135.6 D136.4
Net-(D135-SDO): D135.1 D136.3
Net-(D136-CKO): D136.6 D137.4
Net-(D136-SDO): D136.1 D137.3
Net-(D137-CKO): D137.6 D138.4
Net-(D137-SDO): D137.1 D138.3
Net-(D138-CKO): D138.6 D139.4
Net-(D138-SDO): D138.1 D139.3
Net-(D139-CKO): D139.6 D140.4
Net-(D139-SDO): D139.1 D140.3
Net-(D140-CKO): D140.6 D141.4
Net-(D140-SDO): D140.1 D141.3
Net-(D141-CKO): D141.6 D142.4
Net-(D141-SDO): D141.1 D142.3
Net-(D142-CKO): D142.6 D143.4
Net-(D142-SDO): D142.1 D143.3
Net-(D143-CKO): D143.6 D144.4
Net-(D143-SDO): D143.1 D144.3
Net-(D144-CKO): D144.6 D145.4
Net-(D144-SDO): D144.1 D145.3
Net-(D145-CKO): D145.6 D146.4
Net-(D145-SDO): D145.1 D146.3
Net-(D146-CKO): D146.6 D147.4
Net-(D146-SDO): D146.1 D147.3
Net-(D147-CKO): D147.6 D148.4
Net-(D147-SDO): D147.1 D148.3
Net-(D148-CKO): D148.6 D149.4
Net-(D148-SDO): D148.1 D149.3
Net-(D149-CKO): D149.6 D150.4
Net-(D149-SDO): D149.1 D150.3
Net-(D150-CKO): D150.6 D151.4
Net-(D150-SDO): D150.1 D151.3
Net-(D151-CKO): D151.6 D152.4
Net-(D151-SDO): D151.1 D152.3
Net-(D152-CKO): D152.6 D153.4
Net-(D152-SDO): D152.1 D153.3
Net-(D153-CKO): D153.6 D154.4
Net-(D153-SDO): D153.1 D154.3
Net-(D154-CKO): D154.6 D155.4
Net-(D154-SDO): D154.1 D155.3
Net-(D155-CKO): D155.6 D156.4
Net-(D155-SDO): D155.1 D156.3
Net-(D156-CKO): D156.6 D157.4
Net-(D156-SDO): D156.1 D157.3
Net-(D157-CKO): D157.6 D158.4
Net-(D157-SDO): D157.1 D158.3
Net-(D158-CKO): D158.6 D159.4
Net-(D158-SDO): D158.1 D159.3
Net-(D159-CKO): D159.6 D160.4
Net-(D159-SDO): D159.1 D160.3
Net-(D160-CKO): D160.6 D161.4
Net-(D160-SDO): D160.1 D161.3
Net-(D161-CKO): D161.6 D162.4
Net-(D161-SDO): D161.1 D162.3
Net-(D162-CKO): D162.6 D163.4
Net-(D162-SDO): D162.1 D163.3
Net-(D163-CKO): D163.6 D164.4
Net-(D163-SDO): D163.1 D164.3
Net-(D164-CKO): D164.6 D165.4
Net-(D164-SDO): D164.1 D165.3
Net-(D165-CKO): D165.6 D166.4
Net-(D165-SDO): D165.1 D166.3
Net-(D166-CKO): D166.6 D167.4
Net-(D166-SDO): D166.1 D167.3
Net-(D167-CKO): D167.6 D168.4
Net-(D167-SDO): D167.1 D168.3
Net-(D168-CKO): D168.6 D169.4
Net-(D168-SDO): D168.1 D169.3
Net-(D169-CKO): D169.6 D170.4
Net-(D169-SDO): D169.1 D170.3
Net-(D170-CKO): D170.6 D171.4
Net-(D170-SDO): D170.1 D171.3
Net-(D171-CKO): D171.6 D172.4
Net-(D171-SDO): D171.1 D172.3
Net-(D172-CKO): D172.6 D173.4
Net-(D172-SDO): D172.1 D173.3
Net-(D173-CKO): D173.6 D174.4
Net-(D173-SDO): D173.1 D174.3
Net-(D174-CKO): D174.6 D175.4
Net-(D174-SDO): D174.1 D175.3
Net-(D175-CKO): D175.6 D176.4
Net-(D175-SDO): D175.1 D176.3
Net-(D176-CKO): D176.6 D177.4
Net-(D176-SDO): D176.1 D177.3
Net-(D177-CKO): D177.6 D178.4
Net-(D177-SDO): D177.1 D178.3
Net-(D178-CKO): D178.6 D179.4
Net-(D178-SDO): D178.1 D179.3
Net-(D179-CKO): D179.6 D180.4
Net-(D179-SDO): D179.1 D180.3
Net-(D180-CKO): D180.6 D181.4
Net-(D180-SDO): D180.1 D181.3
Net-(D181-CKO): D181.6 D182.4
Net-(D181-SDO): D181.1 D182.3
Net-(D182-CKO): D182.6 D183.4
Net-(D182-SDO): D182.1 D183.3
Net-(D183-CKO): D183.6 D184.4
Net-(D183-SDO): D183.1 D184.3
Net-(D184-CKO): D184.6 D185.4
Net-(D184-SDO): D184.1 D185.3
Net-(D185-CKO): D185.6 D186.4
Net-(D185-SDO): D185.1 D186.3
Net-(D186-CKO): D186.6 D187.4
Net-(D186-SDO): D186.1 D187.3
Net-(D187-CKO): D187.6 D188.4
Net-(D187-SDO): D187.1 D188.3
Net-(D188-CKO): D188.6 D189.4
Net-(D188-SDO): D188.1 D189.3
Net-(D189-CKO): D189.6 D190.4
Net-(D189-SDO): D189.1 D190.3
Net-(D190-CKO): D190.6 D191.4
Net-(D190-SDO): D190.1 D191.3
Net-(D191-CKO): D191.6 D192.4
Net-(D191-SDO): D191.1 D192.3
Net-(D192-CKO): D192.6 D193.4
Net-(D192-SDO): D192.1 D193.3
Net-(D193-CKO): D193.6 D194.4
Net-(D193-SDO): D193.1 D194.3
Net-(D194-CKO): D194.6 D195.4
Net-(D194-SDO): D194.1 D195.3
Net-(D195-CKO): D195.6 D196.4
Net-(D195-SDO): D195.1 D196.3
Net-(D196-CKO): D196.6 D197.4
Net-(D196-SDO): D196.1 D197.3
Net-(D197-CKO): D197.6 D198.4
Net-(D197-SDO): D197.1 D198.3
Net-(D198-CKO): D198.6 D199.4
Net-(D198-SDO): D198.1 D199.3
Net-(D199-CKO): D199.6 D200.4
Net-(D199-SDO): D199.1 D200.3
Net-(D200-CKO): D200.6 D201.4
Net-(D200-SDO): D200.1 D201.3
Net-(D201-CKO): D201.6 D202.4
